# Altium PCB S3220A.PcbDoc (part 3 of 3)
Units mm, origin at the board's own origin, x right, y up, seen from the top; angles counter-clockwise.
Board outline 117 x 100 mm, 4 copper layers (Top Layer, Internal 1, Internal 2, Bottom Layer), stack 1.41 mm thick; 238 components, 187 nets, 991 pads, 1814 vias.
Unrouted connection lines stored in the file: 236.
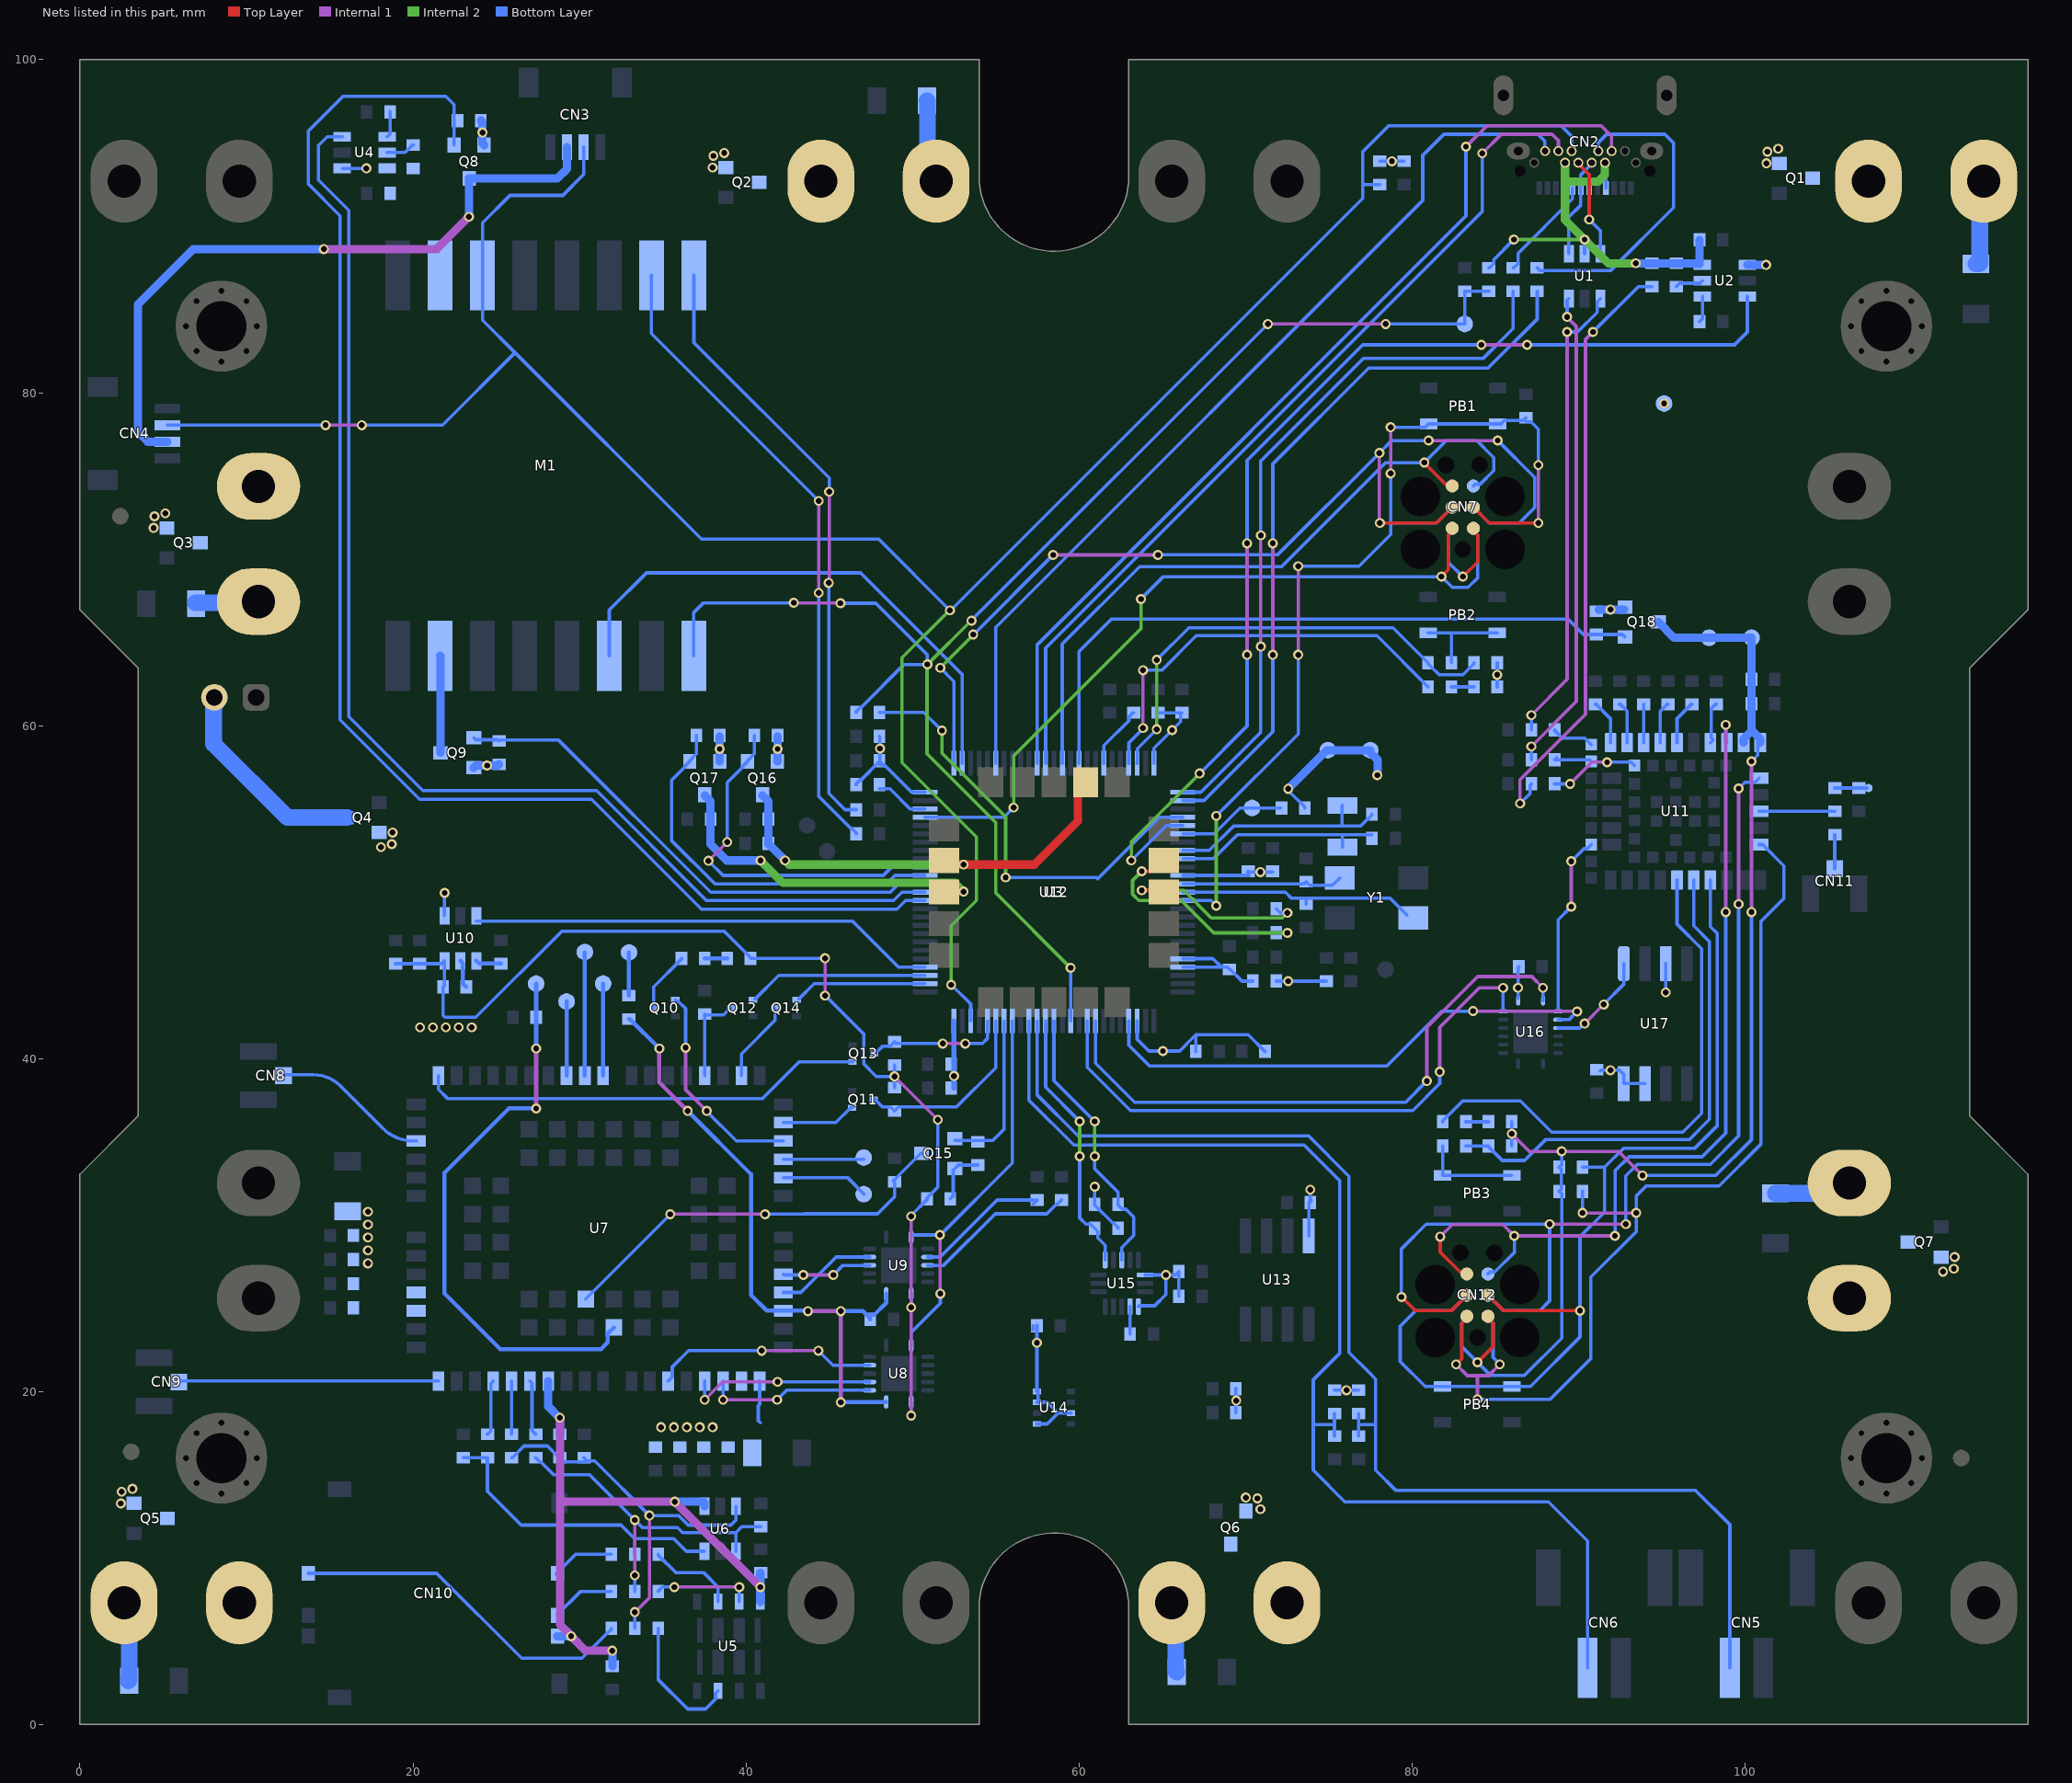
[diagram p5: the nets of this part, all layers, seen from the top]

## Via types
v1: diameter 0.6, hole 0.35, Top Layer to Bottom Layer, tented both sides, 1449 vias
v2: diameter 0.5, hole 0.35, Top Layer to Bottom Layer, tented both sides, 365 vias

## Nets (pads, with @x,y where several pads share a name; then routed paths per layer and width w, separated by ;. In a path a pad name is that pad's centre, name@x,y a point inside that pad or via, vN(x,y) a via of type N, cw(c..) or ccw(c..) an arc to the next point about the centre after c; other vN are vias at no path point) (continued)
I2C2_SDA: CN2.B8 CN3.3 CN4.3 M1.3 R7.1 U3.48 | length 154.5
  Internal 1 w0.2: v1(14.75,78.05) v1(16.925,78.05)
  Internal 2 w0.2: 49.375,64.05 49.375,57.775 53.85,53.3 53.85,49.5 52.325,47.975 v1(52.325,44.425) ; 49.375,64.075 52.225,66.925 v1(52.25,66.925)
  Bottom Layer w0.2: CN4.3@5.25,78.05 v1(14.75,78.05) ; v1(16.925,78.05) 21.775,78.05 26.125,82.4 ; CN3.3@30.25,94.75 30.25,93.1 29,91.85 25.825,91.85 24.175,90.2 M1.3@24.175,87.05 24.175,84.35 26.125,82.4 ; v1@52.525,44.25 53.5,43.275 U3.48@53.5,42.262 ; R7.1@78.075,92.5 77.05,92.5 ; CN2.B8@89.598,94.515 89.598,95.402 88.975,96.025 78.6,96.025 77.05,94.475 77.05,92.5 ; 26.125,82.4 37.325,71.2 47.975,71.2 v1(52.25,66.925) 52.3,66.925 77.05,91.675 77.05,92.5
M1_VCC_PWR_CTRL: U3.63 U4.3 | length 76.1
  Bottom Layer w0.2: U4.3@15.75,95.375 14.85,95.375 14.325,94.85 14.325,92.775 16.15,90.95 16.15,60.55 20.6,56.1 31.025,56.1 37.625,49.5 48.875,49.5 49.375,50 U3.63@50.762,50
M1_VDD_PWR_CTRL: Q9.1 R26.1 U3.64 | length 31.5
  Bottom Layer w0.2: Q9.1@23.65,59.275 23.775,59.15 24.832,59.15 25.1,59.15 R26.1@25.175,59.075 ; R26.1@24.832,59.125 25.1,59.125 28.75,59.125 37.875,50 48.668,50 49.168,50.5 U3.64@50.762,50.5
MODEM_LVL_SHF_EN: U3.43 U8.8 U9.8 | length 23.9
  Top Layer w0.2: v1(51.65,29.4) v1@51.663,29.388 ; v1@51.663,25.888 v1(51.675,25.875)
  Internal 1 w0.2: v1@51.663,25.888 v1@51.663,29.388
  Bottom Layer w0.2: U8.8@49.925,22.775 49.925,23.548 51.675,25.298 v1(51.675,25.875) ; U9.8@49.925,29.275 49.925,29.4 v1(51.65,29.4) 51.675,29.4 56,33.725 U3.43@56,42.262
MODEM_PSM_IND: Q13.3 R47.2 U3.46 | length 8.3
  Internal 1 w0.2: v1(51.825,40.9) v1(53.175,40.9)
  Bottom Layer w0.2: Q13.3@47.7,40.3 47.776,40.3 48.226,40.75 48.675,40.75 R47.2@48.925,41 49.025,40.9 49.05,40.925 49.075,40.9 v1(51.825,40.9) ; v1(53.175,40.9) 54.2,40.9 54.5,41.2 U3.46@54.5,42.262
MODEM_STATUS: Q11.3 R44.2 U3.45 | length 11.5
  Bottom Layer w0.2: Q11.3@47.675,37.55 47.751,37.55 Q11.3@47.829,37.472 ; Q11.3@47.829,37.471 48.2,37.1 48.675,37.1 R44.2@48.925,36.85 49.175,37.1 52.65,37.1 55,39.45 U3.45@55,42.262
MODEM_VDD_PWR_CTRL: U3.54 U10.3 | length 28.1
  Bottom Layer w0.2: U10.3@23.8,48.25 46.4,48.25 49.15,45.5 U3.54@50.762,45.5
MUX_SEL: U3.33 U16.1 | length 36.2
  Internal 1 w0.2: v1(80.9,38.65) 80.9,41.875 83.95,44.925 87.2,44.925 v1(87.875,44.25)
  Bottom Layer w0.2: U3.33@61,42.262 61,39.725 63.35,37.375 79.625,37.375 v1(80.9,38.65) ; U16.1@87.881,43.483 v1@87.881,43.956
nACC_IN1: R71.2 U3.38 U15.11 | length 16.8
  Internal 2 w0.2: v1(60.95,34.125) v1(60.95,36.225)
  Bottom Layer w0.2: U3.38@58.5,42.262 58.5,38.675 v1(60.95,36.225) ; v1(60.95,34.125) 60.95,33.375 62.35,31.975 62.35,31.2 62.6,30.95 62.825,30.95 63.3,30.475 63.3,29.375 62.575,28.65 U15.11@62.575,27.9
nACC_IN2: R74.2 U3.39 U15.9 | length 16
  Internal 2 w0.2: v1(60.05,34.125) v1(60.05,36.225)
  Bottom Layer w0.2: U3.39@58,42.262 58,38.275 v1(60.05,36.225) ; v1(60.05,34.125) 60.05,30.425 60.425,30.05 60.7,30.05 61.133,29.617 61.133,29.217 61.575,28.775 U15.9@61.575,27.9
nBLE_PWR_CTRL: Q18.1 R56.1 U3.91 | length 40.8
  Bottom Layer w0.2: U3.91@60,57.738 60,64.45 61.95,66.4 89.375,66.4 90.3,65.475 R56.1@91.075,65.475 92.65,65.475 Q18.1@92.8,65.325
nCC1_LED: CN2.A5 R16.1 | length 6.3
  Bottom Layer w0.2: R16.1@86.075,87.5 86.125,87.5 86.375,87.75 86.375,88.375 89.648,91.648 CN2.A5@89.648,92.29
nCC2_LED: CN2.B5 R17.1 | length 19.2
  Bottom Layer w0.2: R17.1@87.525,87.5 87.7,87.325 91.925,87.325 95.725,91.125 95.725,95 95.2,95.525 91.7,95.525 91.198,95.023 CN2.B5@91.198,94.515
nCPU_NSS_MODULE: M1.11 U3.77 | length 32.7
  Bottom Layer w0.2: M1.11@31.795,64.19 31.795,66.945 34.025,69.175 46.879,69.175 53,63.054 U3.77@53,57.738
nEPAPER_CS: CN2.B11 U3.81 | length 55.8
  Bottom Layer w0.2: U3.81@55,57.738 55,65.9 80.65,91.55 80.65,94.25 81.925,95.525 87.575,95.525 87.985,95.115 87.985,94.528 CN2.B11@87.998,94.515
nEPAPER_DC: CN2.B10 U3.87 | length 53.3
  Internal 1 w0.2: v1(84.225,94.375) 85.375,95.525 88.425,95.525 88.798,95.152 CN2.B10@88.798,94.515
  Bottom Layer w0.2: U3.87@58,57.738 58,64.657 84.225,90.882 v1@84.225,94.358
nEPAPER_RES: CN2.B3 U3.86 | length 58.1
  Internal 1 w0.2: v1(83.25,94.775) 84.5,96.025 91.375,96.025 91.998,95.402 CN2.B3@91.998,94.515
  Bottom Layer w0.2: U3.86@57.5,57.738 57.5,64.864 83.25,90.614 v1@83.25,94.772
NetAN1_1: AN1.1 C49.2 R50.1 | length 1.9
  Bottom Layer w0.2: R50.1@105.4,56.25 C49.2@106.85,56.25 AN1.1@107.35,56.25
NetBT1_1: BT1.1 C1.2 Q1.3 | length 5.3
  Bottom Layer w1: C1.2@113.875,87.725 114.062,87.725 114.112,87.775 114.112,92.463 BT1.1@114.35,92.7
NetBT2_1: BT2.1 C2.2 Q2.3 | length 5.1
  Bottom Layer w1: C2.2@50.875,97.55 50.912,97.513 50.912,93.213 BT2.1@51.425,92.7
NetBT3_1: BT3.1 C3.2 Q3.3 | length 3.8
  Bottom Layer w1: C3.2@6.925,67.388 10.663,67.388 BT3.1@10.725,67.45
NetBT10_1: BT10.1 C4.2 Q5.3 | length 4.8
  Bottom Layer w1: BT10.1@2.65,7.3 2.95,7 2.95,2.675 C4.2@2.9,2.625
NetBT11_1: BT11.1 C5.2 Q6.3 | length 4.3
  Bottom Layer w1: BT11.1@65.575,7.3 65.825,7.05 65.825,3.2 C5.2@65.875,3.15
NetBT12_1: BT12.1 C6.2 Q7.3 | length 4.7
  Bottom Layer w1: C6.2@101.825,31.9 104.338,31.9 104.963,32.525 BT12.1@106.275,32.525
NetC7_2: C7.2 U2.4 | length 1.6
  Bottom Layer w0.2: C7.2@97.275,84.275 97.45,84.45 U2.4@97.45,85.775
NetC12_2: C12.2 U3.12 Y1.1 | length 9.8
  Bottom Layer w0.2: U3.12@66.238,50.5 73.525,50.5 C12.2@73.65,50.625 73.875,50.4 75.225,50.4 Y1.1@75.675,50.85
NetC13_2: C13.2 U3.13 Y1.3 | length 14.4
  Bottom Layer w0.2: U3.13@66.238,50 72.4,50 72.775,49.625 73.65,49.625 ; C13.2@73.65,49.275 73.65,49.625 ; Y1.3@79.707,48.618 78.7,49.625 73.65,49.625
NetC14_2: C14.2 U3.8 Y2.1 | length 13.5
  Bottom Layer w0.2: U3.8@66.238,52.5 67.825,52.5 69.3,53.975 73.275,53.975 75.8,53.975 ; Y2.1@75.825,55.2 75.8,55.175 75.8,53.975 ; C14.2@77.6,54.675 77.6,54.625 77.35,54.375 77.325,54.375 76.925,53.975 75.8,53.975
NetC15_2: C15.2 U3.9 Y2.2 | length 12.7
  Bottom Layer w0.2: U3.9@66.238,52 68.075,52 69.525,53.45 75.825,53.45 ; Y2.2@75.825,52.7 75.825,53.45 ; C15.2@77.595,53.45 75.825,53.45
NetC16_2: C16.2 FB1.1 U3.21 U3.22 | length 7.1
  Bottom Layer w0.2: U3.22@66.238,45.5 68.55,45.5 ; U3.21@66.238,46 68.05,46 68.55,45.5 ; FB1.1@70.45,44.65 69.8,44.65 69.1,45.35 C16.2@69.05,45.35 68.9,45.5 68.55,45.5
NetC27_2: C27.2 U4.4 | length 1.6
  Bottom Layer w0.2: U4.4@18.45,95.375 18.625,95.55 C27.2@18.625,96.875
NetC36_2: C36.2 R32.2 R36.2 R37.1 R39.2 U6.3 | length 24.1
  Internal 1 w0.2: v1@33.35,6.75 34.2,7.6 v1(34.2,12.55)
  Bottom Layer w0.2: R36.2@25.925,16.025 25.975,16.025 26.675,16.725 28.075,16.725 28.775,16.025 R39.2@28.825,16.025 29.075,15.775 C36.2@30.475,15.775 ; C36.2@30.275,16.025 30.475,15.825 30.925,15.825 v1(34.2,12.55) 35.95,12.55 36.525,11.975 39.1,11.975 39.4,12.275 U6.3@39.4,13.1 ; R32.2@33.325,5.775 v1(33.325,6.75)
NetC37_2: C37.2 R31.2 R34.1 R35.2 U6.6 | length 18.9
  Bottom Layer w0.2: C37.2@23.025,16.025 R35.2@24.475,16.025 24.475,14 26.5,11.975 32.5,11.975 33.325,11.15 ; R31.2@33.325,10.225 33.325,11.15 ; U6.6@37.5,10.4 36.425,10.4 35.675,11.15 33.325,11.15
NetC38_2: C38.2 R30.2 R33.1 R38.2 U6.4 | length 21
  Internal 1 w0.2: v1(33.325,8.95) v1(33.325,12.275)
  Bottom Layer w0.2: R38.2@27.375,16.025 27.625,15.775 27.675,15.775 28.45,15 30.6,15 33.775,11.825 35.9,11.825 36.2,11.525 39.4,11.525 ; R30.2@33.325,7.975 v1(33.325,8.95) ; U6.4@39.4,10.4 39.4,11.525 ; C38.2@40.9,11.875 39.75,11.875 39.4,11.525
NetC47_2: C47.2 U10.4 | length 1.6
  Bottom Layer w0.25: U10.4@23.8,45.875 23.975,45.7 C47.2@25.3,45.7
NetC50_2: C50.2 C51.2 Q16.3 U12.2 U12.17 | length 27.1
  Top Layer w0.5: U12.2@51.9,51.9 52.15,51.65 v1(53.075,51.65) 57.325,51.65 59.925,54.25 59.925,56.125 U12.17@60.4,56.6
  Internal 2 w0.5: v1(42.35,51.9) 42.6,51.65 v1(53.075,51.65)
  Bottom Layer w0.5: Q16.3@41,55.8 41.35,55.45 C50.2@41.35,54.375 C51.2@41.35,52.925 41.35,52.875 41.45,52.775 41.475,52.775 v1(42.35,51.9)
NetC52_2: C52.2 Q17.3 U12.3 | length 20.6
  Top Layer w0.5: U12.3@51.9,50 51.925,50.025 v1(53.075,50.025)
  Internal 2 w0.5: v1(40.875,51.9) 42.225,50.55 52.55,50.55 v1(53.075,50.025)
  Bottom Layer w0.5: Q17.3@37.525,55.8 37.875,55.45 37.875,52.875 38.85,51.9 v1(40.875,51.9)
NetC61_1: C61.1 U15.2 | length 1.7
  Bottom Layer w0.2: C61.1@63.076,23.45 U15.2@63.076,25.1
NetCN1_2: CN1.2 Q4.3 | length 12.7
  Bottom Layer w1: CN1.2@8.025,61.75 8.025,58.9 12.45,54.475 Q4.3@16.05,54.475
NetCN8_S: CN8.S U7.60 | length 9.4
  Bottom Layer w0.2: CN8.S@12.225,38.975 12.275,39.025 14.029,39.025 cw(c14.029,36.741) 15.644,38.356 18.206,35.794 ccw(c20.002,37.59) 20.002,35.05 U7.60@20.2,35.05
NetCN9_S: CN9.S U7.49 | length 15.6
  Bottom Layer w0.2: CN9.S@5.95,20.625 U7.49@21.525,20.625
NetCN10_C2: CN10.C2 R33.2 | length 3.9
  Bottom Layer w0.2: CN10.C2@28.675,6.55 28.675,6.6 30.05,7.975 R33.2@31.925,7.975
NetCN10_C3: CN10.C3 R34.2 | length 3.8
  Bottom Layer w0.2: CN10.C3@28.6,9.05 29.775,10.225 R34.2@31.925,10.225
NetCN10_C7: CN10.C7 R37.2 | length 21.1
  Bottom Layer w0.2: CN10.C7@13.725,9.075 21.425,9.075 26.525,3.975 30.15,3.975 31.65,5.475 31.675,5.475 31.925,5.725 R37.2@31.925,5.775
NetCN11_S: CN11.S R51.2 | length 2.1
  Bottom Layer w0.2: CN11.S@105.4,51.4 R51.2@105.4,53.45
NetD1_1: D1.1 R24.1 | length 1.3
  Bottom Layer w0.2: D1.1@82.375,62.325 R24.1@83.725,62.325
NetD2_2: D2.2 TP8.1 U7.75 | length 34.3
  Internal 1 w0.25: v1(27.4,37) v1(27.4,40.6)
  Bottom Layer w0.25: v1(27.4,37) 25.75,37 21.9,33.15 21.9,25.875 25.225,22.55 31.3,22.55 31.7,22.95 31.7,23.475 U7.75@32.075,23.85 ; v1(27.4,40.6) D2.2@27.4,42.475 TP8.1@27.4,44.5
NetD3_2: D3.2 R41.2 | length 1.3
  Bottom Layer w0.25: R41.2@37.525,46.025 D3.2@38.875,46.025
NetD4_1: D4.1 R62.1 | length 1.3
  Bottom Layer w0.2: D4.1@83.25,36.2 R62.1@84.6,36.2
NETLIGHT_BG95: Q10.1 U7.21 | length 12.9
  Internal 1 w0.2: v1(36.375,40.65) 36.375,38.125 v1(37.65,36.85)
  Bottom Layer w0.2: Q10.1@35.75,43.525 35.828,43.447 35.928,43.447 36.375,43 v1(36.375,40.65) ; v1(37.65,36.85) 37.65,36.825 39.425,35.05 U7.21@42.25,35.05
NetM1_7: M1.7 R29.1 | length 38.7
  Internal 1 w0.2: v1(44.375,67.975) v1(44.375,73.5)
  Bottom Layer w0.2: M1.7@34.335,87.05 34.325,87.04 34.325,83.55 v1(44.375,73.5) ; v1(44.375,67.975) 44.375,55.75 46.325,53.8 46.375,53.8 46.625,53.55 R29.1@46.625,53.5
NetM1_8: M1.8 R27.1 | length 36.6
  Internal 1 w0.2: v1(44.975,68.575) 45,68.6 v1(45,74.05)
  Bottom Layer w0.2: M1.8@36.875,87.05 36.875,83 45,74.875 v1(45,74.05) ; v1(44.975,68.575) 44.975,55.925 45.95,54.95 R27.1@46.625,54.95
NetPB2_1: PB2.1 R25.1 | length 6
  Bottom Layer w0.2: PB2.1@80.975,65.575 82.35,65.575 ; R25.1@82.375,63.775 82.375,65.55 82.35,65.575 ; PB2.1@85.125,65.575 82.35,65.575
NetPB3_1: PB3.1 R65.1 | length 5.9
  Bottom Layer w0.2: R65.1@81.85,34.75 PB3.1@81.85,32.975 PB3.1@86,32.975
NetQ10_3: Q10.3 R41.1 | length 3.7
  Bottom Layer w0.2: Q10.3@34.45,43.025 34.45,44.3 36.125,45.975 R41.1@36.125,46.025
NetQ15_2: Q15.2 R45.1 R46.2 | length 3.4
  Bottom Layer w0.2: R45.1@52.275,31.575 52.45,31.75 52.45,33.3 Q15.2@52.55,33.4 52.75,33.6 R46.2@53.925,33.6
NetR2_2: R2.2 U2.5 | length 1.7
  Bottom Layer w0.2: R2.2@95.875,86.375 96.075,86.575 97.3,86.575 U2.5@97.45,86.725
NetR16_2: R16.2 U3.1 | length 43.2
  Internal 1 w0.2: v1(70.925,64.75) v1(70.925,71.425)
  Bottom Layer w0.2: U3.1@66.238,56 67.325,56 70.925,59.6 v1(70.925,64.75) ; v1(70.925,71.425) 70.925,75.9 77.075,82.05 84.273,82.05 86.075,83.852 R16.2@86.075,86.1
NetR17_2: R17.2 U3.2 | length 44.3
  Internal 1 w0.2: v1(71.65,64.25) v1(71.65,70.95)
  Bottom Layer w0.2: U3.2@66.238,55.5 67.525,55.5 71.65,59.625 v1@71.65,64.225 ; v1(71.65,70.95) 71.65,75.725 77.4,81.475 84.575,81.475 87.525,84.425 R17.2@87.525,86.1
NetR18_1: R18.1 U3.73 | length 3.2
  Bottom Layer w0.2: R18.1@48.025,56.2 48.65,56.2 49.85,55 U3.73@50.762,55
NetR19_2: R19.2 U3.94 | length 3.8
  Bottom Layer w0.2: U3.94@61.5,57.738 61.5,58.8 63,60.3 63,60.525 63.25,60.775 R19.2@63.3,60.775
NetR22_2: R22.2 TP6.1 U3.6 | length 6.5
  Bottom Layer w0.2: U3.6@66.238,53.5 68.125,53.5 69.675,55.05 R22.2@72.125,55.05
NetR28_2: R28.2 U4.5 | length 1.8
  Bottom Layer w0.2: U4.5@18.45,94.425 19.525,94.425 19.975,94.875 R28.2@20.025,94.875
NetR30_1: R30.1 U5.C2 | length 5.9
  Internal 1 w0.2: v1(35.7,8.25) v1(39.6,8.25)
  Bottom Layer w0.2: R30.1@34.725,7.975 34.725,8 34.975,8.25 v1(35.7,8.25) ; U5.C2@39.595,7.375 39.598,7.378 39.598,8.248 v1(39.6,8.25)
NetR31_1: R31.1 U5.C3 | length 5.3
  Bottom Layer w0.2: R31.1@34.725,10.225 34.725,10.175 35.775,9.125 37.45,9.125 38.325,8.25 U5.C3@38.325,7.375
NetR32_1: R32.1 U5.C7 | length 8.1
  Bottom Layer w0.2: R32.1@34.725,5.775 34.725,2.7 36.5,0.925 37.575,0.925 38.175,1.525 38.175,1.875 U5.C7@38.325,2.025
NetR35_1: R35.1 U7.46 | length 3.3
  Bottom Layer w0.2: R35.1@24.475,17.425 24.675,17.625 24.675,20.475 U7.46@24.825,20.625
NetR36_1: R36.1 U7.45 | length 3.2
  Bottom Layer w0.2: R36.1@25.925,17.425 U7.45@25.925,20.625
NetR38_1: R38.1 U7.44 | length 3.3
  Bottom Layer w0.2: U7.44@27.025,20.625 27.15,20.5 27.15,17.65 R38.1@27.375,17.425
NetR40_2: R40.2 TP7.1 | length 2.6
  Bottom Layer w0.25: R40.2@32.975,43.775 TP7.1@32.975,46.375
NetR42_1: R42.1 U9.11 | length 9.6
  Bottom Layer w0.2: U9.11@50.927,27.576 51.876,27.576 54.975,30.675 58.075,30.675 58.65,31.25 58.7,31.25 R42.1@58.95,31.5
NetR43_1: R43.1 U9.10 | length 8.2
  Bottom Layer w0.2: U9.10@50.927,28.076 51.669,28.076 55.093,31.5 R43.1@57.306,31.5 ; R43.1@57.25,31.25 R43.1@57.5,31.5
NetR48_1: R48.1 U10.5 | length 1.7
  Bottom Layer w0.25: U10.5@22.85,45.875 23,45.725 23,44.5 R48.1@23.2,44.3
NetR50_2: R50.2 R51.1 U11.13 | length 4.6
  Bottom Layer w0.2: U11.13@100.85,54.85 R50.2@105.4,54.85
NetR54_2: R54.2 U11.1 | length 2.7
  Bottom Layer w0.2: R54.2@91.025,61.275 91.075,61.275 91.925,60.425 U11.1@91.925,58.975
NetR55_2: R55.2 U11.2 | length 2.5
  Bottom Layer w0.2: R55.2@92.475,61.275 92.525,61.275 92.925,60.875 U11.2@92.925,58.975
NetR57_2: R57.2 U11.3 | length 2.3
  Bottom Layer w0.2: U11.3@93.925,58.975 R57.2@93.925,61.275
NetR58_2: R58.2 U11.4 | length 2.5
  Bottom Layer w0.2: U11.4@94.925,58.975 94.925,60.875 95.325,61.275 R58.2@95.375,61.275
NetR59_2: R59.2 U11.5 | length 2.7
  Bottom Layer w0.2: U11.5@95.925,58.975 95.925,60.425 96.775,61.275 R59.2@96.825,61.275
NetR60_2: R60.2 U11.7 | length 2.6
  Bottom Layer w0.2: U11.7@97.925,58.975 98.1,59.15 97.975,59.275 97.975,61.025 98.225,61.275 R60.2@98.275,61.275
NetR63_1: R63.1 U12.13 | length 11.7
  Top Layer w0.2: v1@63.731,50.1 65,50.1 U12.13@65.1,50
  Internal 2 w0.2: v1(63.775,50.1) 66.3,50.1 67.95,48.45 72.208,48.45 72.508,48.75 v1(72.525,48.75)
  Bottom Layer w0.2: R63.1@71.85,49 72.1,48.75 v1(72.525,48.75)
NetR64_1: R64.1 U12.14 | length 14.1
  Top Layer w0.2: v1(63.775,51.25) 64.45,51.25 U12.14@65.1,51.9
  Internal 2 w0.2: v1(63.775,51.25) 63.225,50.7 63.225,49.872 63.597,49.5 66.15,49.5 68.1,47.55 v1(72.525,47.55)
  Bottom Layer w0.2: R64.1@71.85,47.55 v1(72.525,47.55)
NetR68_2: R68.2 U11.31 | length 5.4
  Internal 1 w0.2: v1(89.5,56.5) 90.8,57.8 v1(91.725,57.8)
  Bottom Layer w0.2: R68.2@88.575,56.5 v1(89.5,56.5) ; v1(91.725,57.8) 93.175,57.8 U11.31@93.375,57.6
NetR69_2: R69.2 U11.55 | length 2.6
  Bottom Layer w0.2: R69.2@88.575,59.75 88.575,59.7 89.025,59.25 90.375,59.25 90.525,59.1 U11.55@90.775,58.85
NetR70_2: R70.2 U11.54 | length 2.4
  Bottom Layer w0.2: R70.2@88.7,58.075 R70.2@88.575,57.95 90.675,57.95 U11.54@90.775,57.85
NetTP9_1: TP9.1 U7.8 | length 4.5
  Bottom Layer w0.25: U7.8@29.225,38.975 TP9.1@29.225,43.433
NetTP10_1: TP10.1 U7.9 | length 7.4
  Bottom Layer w0.25: U7.9@30.325,38.975 TP10.1@30.325,46.375
NetTP11_1: TP11.1 U7.10 | length 5.5
  Bottom Layer w0.25: U7.10@31.425,38.975 TP11.1@31.425,44.5
NetTP12_1: TP12.1 U7.22 | length 4.8
  Bottom Layer w0.2: U7.22@42.25,33.95 TP12.1@47.075,33.95
NetTP13_1: TP13.1 U7.23 | length 5.3
  Bottom Layer w0.2: U7.23@42.25,32.85 46.1,32.85 TP13.1@47.113,31.838
nFLASH_CS: U16.4 U17.1 | length 6.3
  Internal 1 w0.2: v1(90.375,42.1) v1(91.525,43.25)
  Bottom Layer w0.2: U16.4@88.781,41.833 90.083,41.833 v1@90.375,42.125 ; v1(91.525,43.25) 92.725,44.45 U17.1@92.725,45.7
nFLASH_CS_BLE: U11.49 U16.2 | length 11
  Internal 1 w0.2: v1(89.575,49.125) v1(89.575,51.85)
  Bottom Layer w0.2: U16.2@88.781,42.833 88.781,48.331 v1(89.575,49.125) ; v1(89.575,51.85) 90.325,52.6 90.525,52.6 U11.49@90.775,52.85
nFLASH_CS_CPU: U3.29 U16.3 | length 31.6
  Internal 1 w0.2: v1(83.675,42.85) 89.9,42.85 v1@89.917,42.833
  Internal 2 w0.2: v1@89.917,42.833 v1(89.925,42.825)
  Bottom Layer w0.2: U3.29@63,42.262 63,40.8 64.25,39.55 78.5,39.55 81.783,42.833 83.658,42.833 v1(83.675,42.85) ; U16.3@88.781,42.333 89.433,42.333 v1(89.925,42.825)
nGPS_BCKP_CTRL: Q17.1 R53.1 U3.65 | length 23.4
  Bottom Layer w0.2: R53.1@37.025,59.4 37.025,58.3 36.625,57.9 Q17.1@36.625,57.85 36.325,57.55 36.325,57.5 35.525,56.7 35.525,53.1 38.125,50.5 48.461,50.5 48.961,51 U3.65@50.762,51
nGPS_PWR_CTRL: Q16.1 R52.1 U3.66 | length 22.2
  Internal 1 w0.2: v1(37.75,51.875) v1@38.875,53
  Bottom Layer w0.2: v1(37.75,51.875) 38.625,51 48.254,51 48.754,51.5 U3.66@50.762,51.5 ; v1(38.875,53) 38.875,56.575 39.8,57.5 39.8,57.55 Q16.1@40.1,57.85 40.1,57.9 40.5,58.3 R52.1@40.5,59.4
nLED_BLE: D4.2 U11.21 | length 32
  Bottom Layer w0.2: D4.2@81.85,36.2 81.85,36.25 83.05,37.45 86.525,37.45 88.4,35.575 96.275,35.575 97.4,36.7 97.4,46.6 95.925,48.075 U11.21@95.925,50.725
nLED_CPU: D1.2 U3.97 | length 25.1
  Internal 1 w0.2: v1@63.85,59.875 v1(63.85,63.325)
  Bottom Layer w0.2: U3.97@63,57.738 63,58.975 v1@63.838,59.813 ; v1(63.85,63.325) 64.975,63.325 67.05,65.4 77.9,65.4 D1.2@80.975,62.325
  other v1: 63.85,59.85
nMODEM_PON_TRIG: Q15.1 R46.1 U3.44 | length 9.7
  Bottom Layer w0.2: Q15.1@52.55,35.075 53.925,35.075 54.825,35.075 55.5,35.75 U3.44@55.5,42.262
nMODEM_PWRKEY: Q12.1 U3.53 | length 10.8
  Bottom Layer w0.2: Q12.1@40.55,43.575 41.975,45 U3.53@50.762,45
nMODEM_RESET: Q14.1 U3.52 | length 8
  Bottom Layer w0.2: Q14.1@43.175,43.575 44.1,44.5 U3.52@50.762,44.5
nMUX_EN: U3.34 U16.15 | length 35.3
  Internal 1 w0.2: v1(81.675,39.2) 81.675,41.875 84.05,44.25 v1(85.475,44.25)
  Bottom Layer w0.2: U3.34@60.5,42.262 60.5,39.475 63.1,36.875 80.05,36.875 81.675,38.5 v1@81.675,39.175 ; v1(85.475,44.25) v1@85.475,43.987 ; U16.15@85.481,42.833 85.475,42.839 v1@85.475,43.987 ; v1@85.481,43.981 v1@85.475,43.987
nPB_BLE: R61.2 R65.2 U11.20 | length 30.8
  Bottom Layer w0.2: R65.2@83.25,34.75 R61.2@84.6,34.75 84.6,34.7 85.425,33.875 86.775,33.875 88.025,35.125 96.65,35.125 97.875,36.35 97.875,47.025 96.925,47.975 U11.20@96.925,50.725
nPB_CPU: R23.2 R25.2 U3.98 | length 28.1
  Internal 2 w0.2: v1(64.675,59.775) v1(64.675,63.95)
  Bottom Layer w0.2: U3.98@63.5,57.738 63.512,57.75 63.512,58.612 v1(64.675,59.775) ; v1(64.675,63.95) 66.6,65.875 78.875,65.875 R25.2@80.975,63.775 80.975,63.725 81.225,63.475 81.64,63.06 83.06,63.06 83.725,63.725 R23.2@83.725,63.775
nPWRKEY_BG95: C46.2 Q12.3 U7.15 | length 5.5
  Bottom Layer w0.2: U7.15@37.525,38.975 C46.2@37.525,42.675 37.575,42.625 38.649,42.625 39.049,43.025 Q12.3@39.125,43.025
nRELAY_1: C9.2 CN5.1 R8.1 U3.40 | length 77.2
  Bottom Layer w0.2: U3.40@57.5,42.262 57.5,37.8 59.95,35.35 73.8,35.35 76.225,32.925 76.225,22.35 77.475,21.1 ; C9.2@76.8,17.325 76.8,17.975 ; R8.1@76.8,18.675 76.8,17.975 ; 77.45,21.125 77.825,20.75 77.825,18 ; CN5.1@99.1,3.4 99.1,12 97.05,14.05 79.05,14.05 77.825,15.275 77.825,18 ; 76.8,17.975 76.825,18 77.825,18
nRELAY_2: C10.2 CN6.1 R9.1 U3.41 | length 72